# KiCad board 8x8.kicad_pcb (continued)
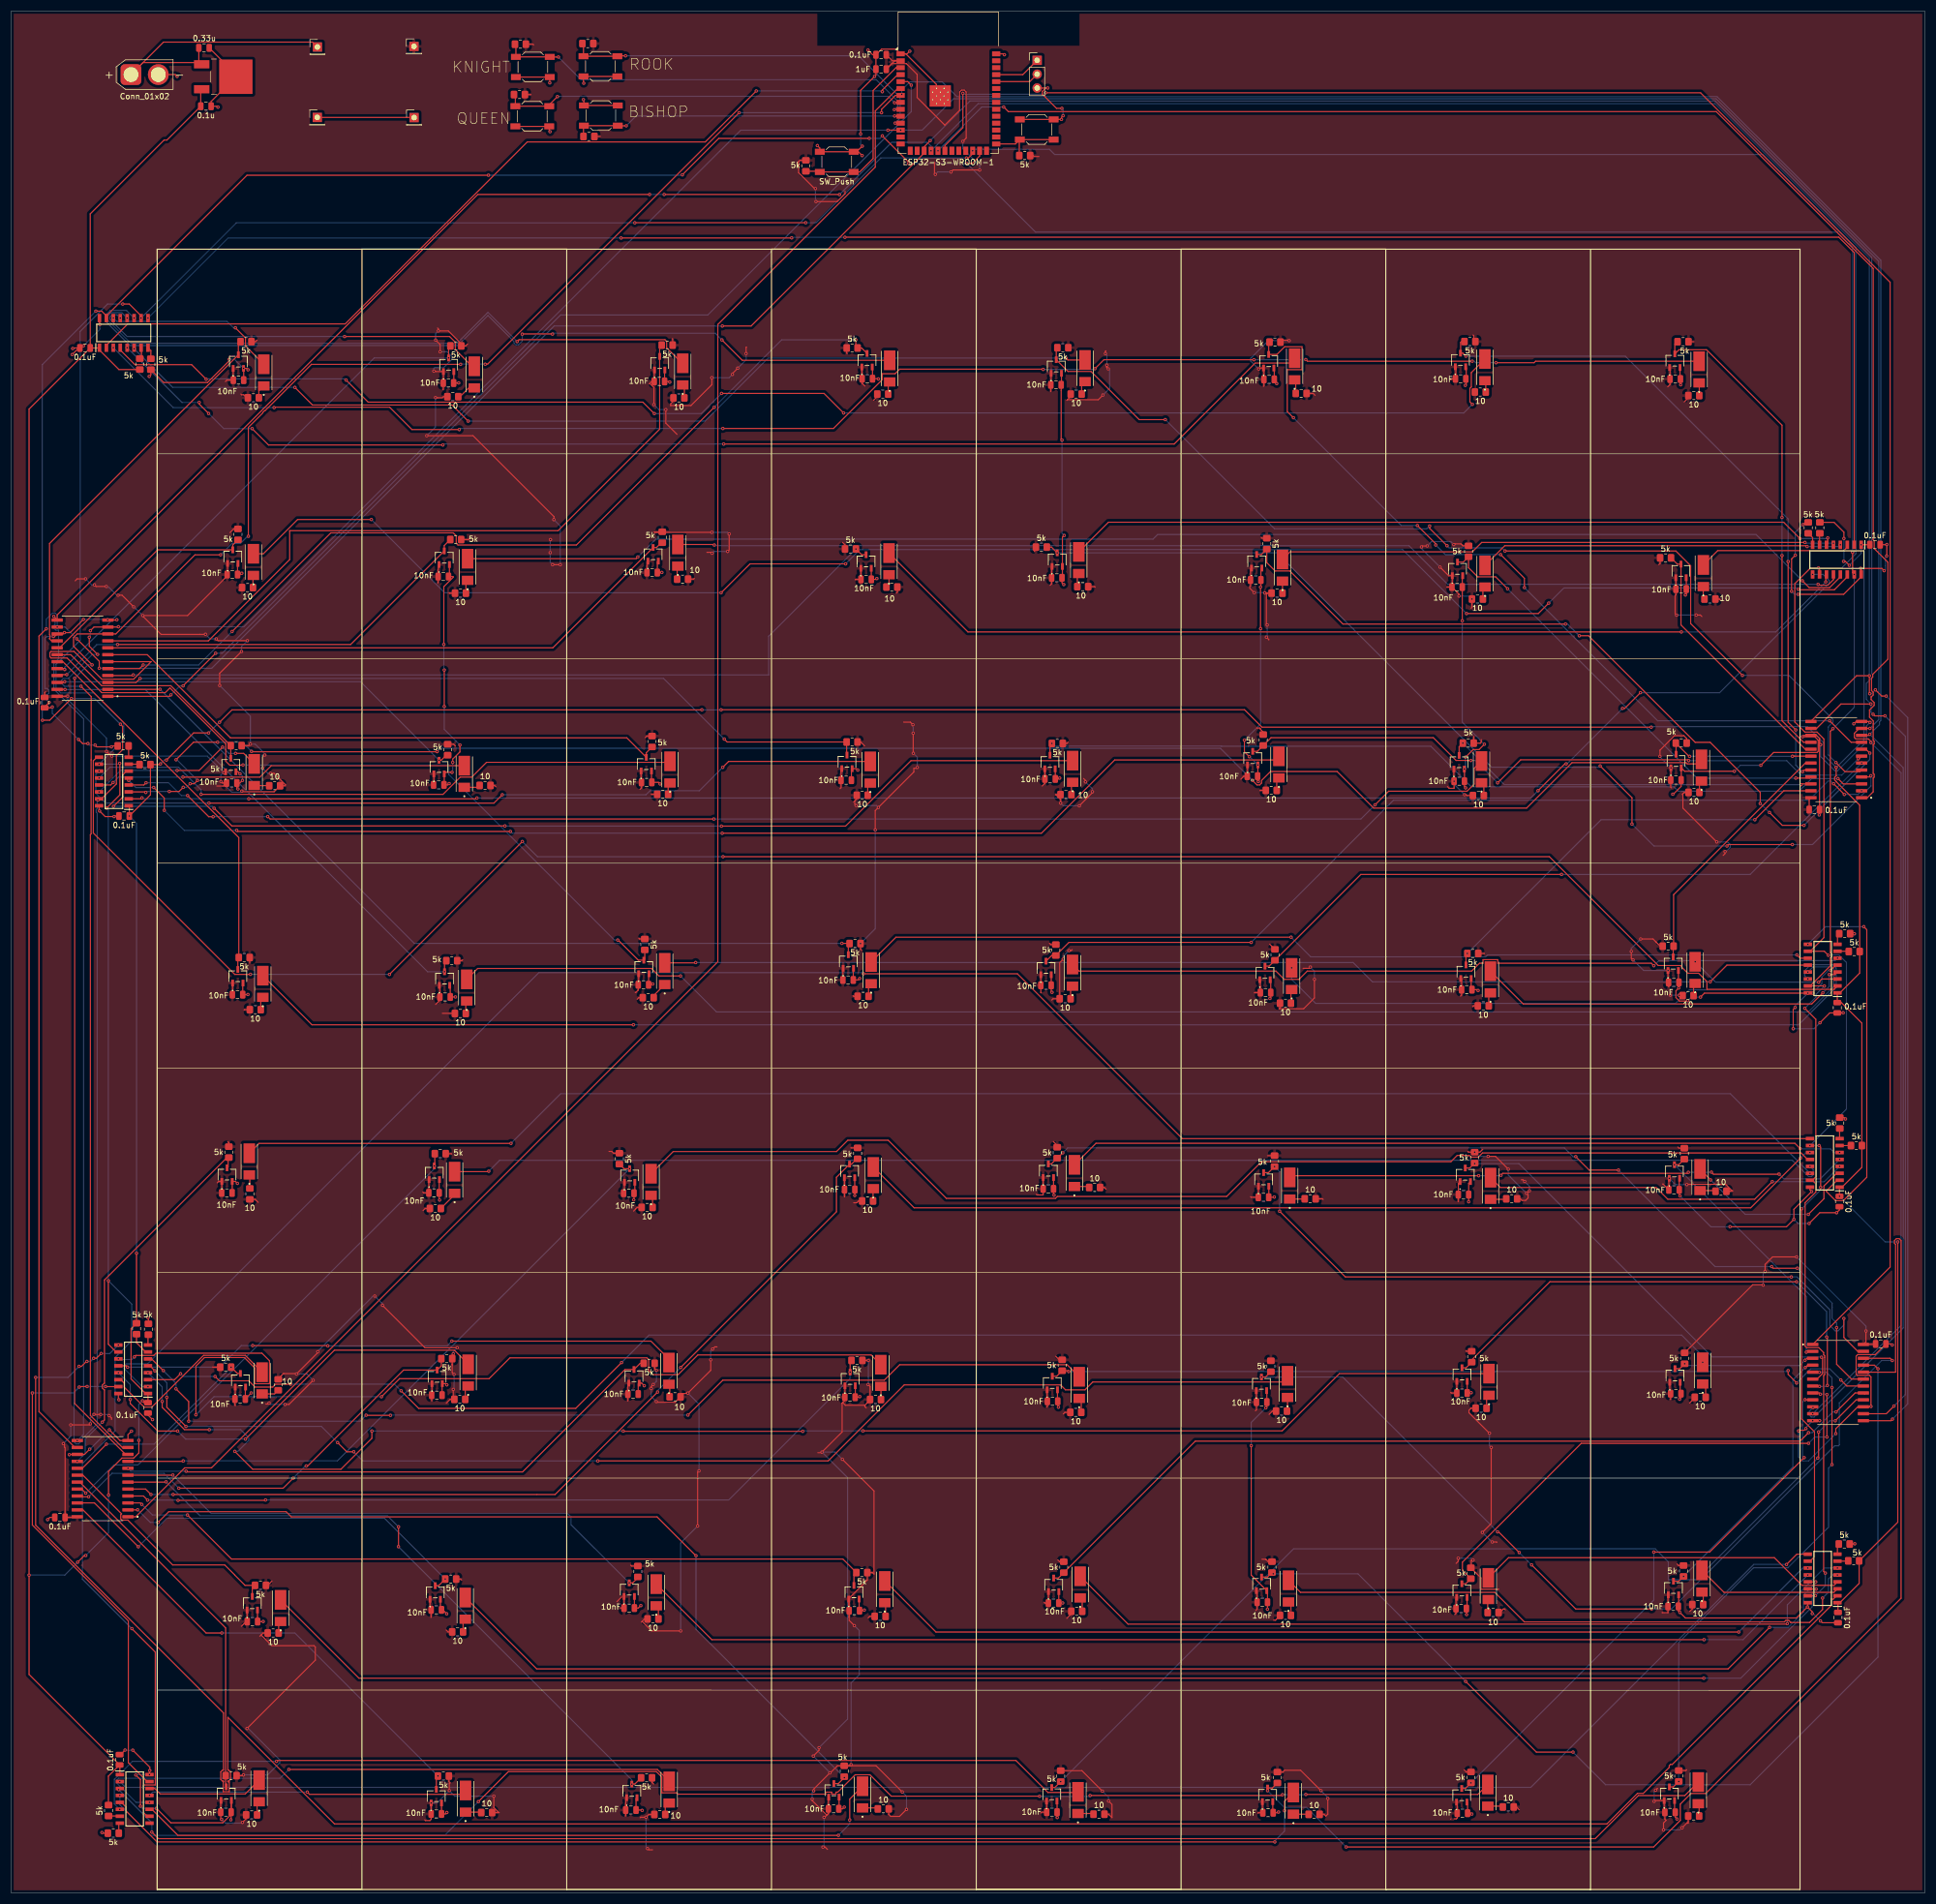
[diagram p0: board, top side]
## Routing (per net, layer and track width the routed paths; a pad name or vN(x,y) marks a point on that pad's centre or on a via; arc(x,y) is an arc through that point) (continued)
  Bottom w0.2: v1(332.5,101.88) 332.5,106.5 v1(327,112) ; v1(332.62,93) 332.45,92.82 v1(331.2,92.82)
/HALL52: length 85.6
  Top w0.2: v1(331.55,98.18) 331.75,97.97 331.75,95.18 330.74,94.17 U13.6 ; R116.1 267.14,132.84 J36.3
  Bottom w0.2: v1(268.04,133.65) 276.15,133.65 311.57,98.23 331.5,98.23 v1(331.55,98.18)
/HALL53: length 95.3
  Top w0.2: U13.5 331.13,95.44 v1(331.15,95.43) ; v1(305.41,20.45) 304.41,19.45 J53.3 ; v1(333.48,78.5) v1(333.48,92.62)
  Bottom w0.2: v1(333.48,92.62) 333.48,94.4 332.45,95.43 v1(331.15,95.43) ; v1(333.48,78.5) 332.85,77.88 332.85,67.05 325.4,59.6 319.12,59.6 305.41,45.9 v1(305.41,20.45)
/HALL54: length 51.2
  Top w0.2: v1(306.29,58.02) 305.42,57.14 J51.3 ; U13.4 329.01,96.71 v1(328.58,96.28)
  Bottom w0.2: v1(306.29,58.02) 326.33,78.05 326.33,94.03 v1(328.58,96.28)
/HALL55: length 26.3
  Top w0.2: v1(306.49,96.98) 305.59,96.07 J48.3 ; v1(328.52,97.62) 328.88,97.98 U13.3
  Bottom w0.2: v1(306.49,96.98) 306.82,96.65 327.55,96.65 v1(328.52,97.62)
/HALL56: length 47.8
  Top w0.2: U13.2 328.92,99.25 v1(328.77,99.1) ; v1(304.63,133.44) 305.42,133.44 R126.1
  Bottom w0.2: v1(304.63,133.44) 328.77,109.29 v1(328.77,99.1)
/HALL57: length 134.9
  Top w0.2: v1(335.65,105.28) 335.65,101.8 338.2,99.25 U13.23 ; v1(326.03,112.88) 244.37,112.88 v1(232.33,124.93) ; J61.3 230.29,132 v1(231.4,133.1)
  Bottom w0.2: v1(335.65,105.28) 335.65,104.08 334.57,103 334.08,103 333.1,103.98 333.1,106.85 327.07,112.88 v1(326.03,112.88) ; v1(232.33,124.93) 232.33,132.18 v1(231.4,133.1)
/HALL58: length 164.1
  Top w0.2: R134.1 229.75,94.55 v1(229,94.55) ; v1(276.2,62.4) 272.42,66.18 v1(272.25,66.18) ; v1(344.52,97.57) 344.12,97.98 U13.22 ; v1(278.48,60.12) 286.55,52.05 v1(300.45,52.05)
  Bottom w0.2: v1(300.45,52.05) 304.07,52.05 333.97,81.95 334.65,81.95 334.83,82.13 334.83,89.82 342.59,97.57 v1(344.52,97.57) ; v1(272.25,66.18) 243.88,94.55 v1(229,94.55) ; v1(278.48,60.12) v1(276.2,62.4)
/HALL59: length 194.4
  Top w0.2: v1(286.05,25.82) 279.35,25.82 v1(266.4,38.78) ; U13.21 341.25,96.71 341.9,96.06 v1(341.9,96.04) ; R131.1 230.1,57.9 J56.3
  Bottom w0.2: v1(341.9,96.04) 341.9,43.25 318.5,19.85 292.03,19.85 v1(286.05,25.82) ; v1(266.4,38.78) 246.68,58.49 v1(231.15,58.49)
/HALL60: length 240.2
  Top w0.2: J57.3 230.99,19.25 R132.1 ; U13.20 345.12,95.44 345.12,118.85 344.92,119.05 344.92,119.55 345.28,119.9 345.77,119.9 346.13,119.55 346.13,54.02 310.35,18.24 307.65,18.24 305.7,16.3 305.7,13.33 300.82,8.45 v1(244.5,8.45)
  Bottom w0.2: v1(230.13,18.77) 233.19,15.7 237.25,15.7 v1(244.5,8.45)
/HALL61: length 174.1
  Top w0.2: U13.19 337.05,94.17 334.33,96.89 v1(334.33,103.6) ; v1(322.42,114.78) 322.73,114.48 v1(327.12,114.48) ; v1(286.55,134.93) 289.01,132.46 v1(294.38,132.46) ; J68.3 190.53,133.59 R145.1 191.65,134.65 v1(192.63,135.62)
  Bottom w0.2: v1(192.63,135.62) 193.53,136.53 284.45,136.53 286.05,134.93 v1(286.55,134.93) ; v1(327.12,114.48) 333.5,108.1 333.5,105.28 334.33,104.45 v1(334.33,103.6) ; v1(294.38,132.46) 312.06,114.78 v1(322.42,114.78)
/HALL62: length 152.8
  Top w0.2: J69.3 191.5,94.69 R146.1 193.6,95.7 193.67,95.62 193.67,95.57 v1(193.7,95.55) ; U13.18 336.2,92.9 v1(335.1,94) ; v1(325.45,95.73) 325.45,95.03 327,93.48 v1(327,93.45)
  Bottom w0.2: v1(193.7,95.55) 325.27,95.55 v1(325.45,95.73) ; v1(327,93.45) 329.58,96.03 333.07,96.03 v1(335.1,94)
/HALL63: length 162.7
  Top w0.2: v1(329.17,84.35) 327.63,82.8 216.89,82.8 R141.1 191.81,57.72 J64.3 ; v1(334.23,88.15) 337.71,91.63 U13.17 339.46,91.4
  Bottom w0.2: v1(329.17,84.35) 329.85,84.35 333.65,88.15 v1(334.23,88.15)
/HALL64: length 187.3
  Top w0.2: v1(330.88,79.7) 331.02,79.85 v1(331.02,84.48) ; v1(192.24,20.43) 191.16,19.34 J65.3 ; v1(334.08,86.53) 337.91,90.36 U13.16
  Bottom w0.2: v1(331.02,84.48) 333.08,86.53 v1(334.08,86.53) ; v1(330.88,79.7) 308.59,57.42 303.51,57.42 303.51,60.67 301.1,63.08 234.89,63.08 v1(192.24,20.43)
/IO0: length 13.8
  Top w0.2: SW5.2 184.65,321.15 R147.1 ; SW5.2 183.95,320.45 U14.27 ; SW5.2 SW5.2
/Knight_promote: length 78.7
  Top w0.2: U14.9 161.85,326.8 v1(161.78,326.73) ; v1(100.25,336.38) 98.7,336.38 SW1.2 92.47,336.4 92.47,338.55 R137.1
  Bottom w0.2: v1(100.25,336.38) 104.4,332.22 158.45,332.22 162.43,328.25 162.43,327.38 v1(161.78,326.73)
/Queen_promote: length 74.2
  Top w0.2: v1(161.83,328) 161.9,328.07 U14.8 ; v1(100.08,329.12) 98.58,327.62 SW2.2 SW2.2 92.38,329.25 R138.1
  Bottom w0.2: v1(161.83,328) 160.65,329.18 100.12,329.18 v1(100.08,329.12)
/RCK: length 935.3
  Top w0.2: v1(145.55,306.03) 114.28,306.03 v1(114.25,306) ; v1(22.15,48.45) 26.44,44.16 26.44,19.8 24.31,19.8 24.31,14.72 24.96,14.08 U8.10 ; v1(331.4,129.3) 331.4,136.66 v1(331.11,136.95) ; U1.10 331.2,242.58 v1(331,242.78) 329.55,242.78 326.67,239.9 326.67,214.54 328.51,212.71 330.73,212.71 332,211.44 332,175.05 329.5,172.55 U4.10 332.08,172.55 v1(332.8,171.83) ; v1(20.48,291.12) 21.68,291.12 23.83,288.97 v1(23.83,288.55) ; v1(19.92,206.98) 19.95,206.94 19.95,201.2 v1(17.53,198.78) ; U7.10 329.47,60.82 330.27,61.63 330.27,84.51 327.92,86.86 v1(327.92,125.35) ; U6.10 19.26,99.14 17.84,100.56 v1(17.84,112.19) ; v1(174.97,317.88) 175.33,317.88 176.12,318.67 v1(176.12,319.2)
  Bottom w0.2: v1(22.15,48.45) 13.1,57.5 13.1,78.7 19.07,84.67 19.07,98.12 22.15,101.19 22.15,107.88 v1(17.84,112.19) 17.84,198.46 v1(17.53,198.78) ; v1(331,242.78) 335.25,242.78 337.85,245.38 337.85,301.44 320.77,318.53 191.13,318.53 190.17,319.48 177.96,319.48 177.64,319.8 177.14,319.8 176.82,319.48 176.4,319.48 v1(176.12,319.2) ; v1(145.55,306.03) 147.42,306.03 159.27,317.88 v1(174.97,317.88) ; v1(332.8,171.83) 332.86,171.88 334.74,171.88 336.13,170.49 336.13,143.62 v1(329.45,136.95) v1(331.11,136.95) ; v1(331.4,129.3) 331.4,128.83 v1(327.92,125.35) ; v1(19.92,206.98) 19.77,206.83 v1(16.15,206.83) 20.65,211.33 20.65,214.4 15.17,219.88 9.12,219.88 8.25,220.74 8.25,225.1 12.68,229.53 12.68,286.1 17.7,291.12 v1(20.48,291.12) ; v1(114.25,306) 41.28,306 v1(23.83,288.55)
/Rook_promote: length 69.7
  Top w0.2: v1(161.92,324.28) 161.94,324.26 U14.11 ; v1(112.55,336.6) 111.12,336.6 SW3.2 SW3.2 104.85,338.65 R148.1
  Bottom w0.2: v1(161.92,324.28) 162.83,325.18 162.83,329 155.22,336.6 v1(112.55,336.6)
/RX: length 8.1
  Top w0.2: J70.2 186.57,331.88 U14.36
/S0: length 782.6
  Top w0.2: v1(43.48,248.58) 43.48,268.53 46.12,271.17 46.12,271.26 46.44,271.58 46.53,271.58 55.03,280.08 55.04,280.08 v1(82.35,280.08) ; U11.10 340.21,212.11 v1(340.4,212.3) ; v1(133.35,326.18) 87.3,280.12 86.88,280.12 v1(86.85,280.1) ; U14.7 161.97,329.34 159.42,326.79 v1(159.42,326.18) ; v1(11.68,222.58) 11.68,89.69 20.99,80.37 U10.10 ; v1(38.4,245.18) 33.7,245.18 19.21,230.69 U9.10 12.14,230.69 11.47,230.02 11.47,228.41 v1(14.87,225.02) ; v1(330,88.95) 329.95,89 U13.10
  Bottom w0.2: v1(43.48,248.58) 43.47,248.58 43.4,248.65 42.05,247.3 40.53,247.3 v1(38.4,245.18) ; v1(86.85,280.1) 82.38,280.1 v1(82.35,280.08) ; v1(159.42,326.18) v1(133.35,326.18) ; v1(11.68,222.58) 14.12,225.02 v1(14.87,225.02) ; v1(163.13,329.54) 163.13,330.33 164.63,331.83 170.54,331.83 173.24,329.13 312.43,329.13 342.43,299.13 342.43,214.81 342.17,214.56 342.17,214.08 v1(340.4,212.3) 346.53,206.17 346.53,103.55 330.2,87.22 329.7,87.22 329.35,87.57 329.35,88.3 v1(330,88.95)
/S1: length 769.2
  Top w0.2: v1(14.35,230.09) 14.35,228.45 v1(15.88,226.93) ; U10.11 20.41,81.64 14.55,87.5 14.55,193.92 14.69,194.05 14.69,207.62 14.7,207.63 14.7,219.23 v1(12.83,221.1) ; U11.11 v1(340.42,213.38) 338.46,213.38 337.57,212.49 337.57,211.72 337.86,211.44 340.16,211.44 340.61,210.99 v1(340.61,210.78) ; v1(19.68,232) 19.63,231.96 U9.11 15.22,231.96 v1(14.55,231.29) ; v1(162.92,322.99) 160.61,322.99 v1(160.6,322.98)
  Bottom w0.2: v1(340.42,213.38) 342.02,214.98 342.02,298.97 312.27,328.73 172.61,328.73 166.87,322.99 v1(162.92,322.99) ; v1(329.95,87.82) 346.13,104 346.13,205.26 v1(340.61,210.78) ; v1(15.88,226.93) 14.9,226.93 10.5,222.53 9.6,222.53 9.25,222.17 9.25,221.68 9.83,221.1 v1(12.83,221.1) ; v1(14.35,230.09) 14.55,230.29 v1(14.55,231.29) ; v1(160.6,322.98) 133.65,322.98 42.68,232 v1(19.68,232)
/S2: length 787
  Top w0.2: v1(12.08,229.78) 16.18,225.68 v1(16.18,224.4) ; v1(6.47,231.62) 5.14,230.29 5.14,88.21 11.71,81.64 U10.14 ; v1(343.17,215.68) 341.3,215.68 v1(341,215.98) ; v1(130.28,287.1) 135.55,287.1 167.23,318.78 U14.17 167.23,319.94 v1(168.34,321.06) ; v1(344.83,89.23) 343.42,87.82 U13.14 ; v1(340.61,217.85) 335.12,217.85 330.65,213.38 U11.14
  Bottom w0.2: v1(341,215.98) 340.61,216.37 v1(340.61,217.85) 339.75,218.71 339.75,221.6 340.93,222.78 340.93,223.27 340.75,223.45 340.75,299.68 312.1,328.32 175.61,328.32 v1(168.34,321.06) ; v1(343.17,215.68) 346.93,211.92 346.93,91.33 v1(344.83,89.23) ; v1(16.18,224.4) 36.78,224.4 99.47,287.1 v1(130.28,287.1) ; v1(12.08,229.78) 9.9,231.96 v1(8.47,231.96) 8.47,234.12 8.1,234.5 7.6,234.5 6.47,233.37 v1(6.47,231.62)
/S3: length 779.5
  Top w0.2: v1(116.95,311.2) 85.5,311.2 8.47,234.18 8.47,233.23 8.47,233.28 v1(7.85,233.9) ; v1(151.72,311.18) 151.7,311.2 v1(119.62,311.2) ; v1(340.4,219.73) 340.42,219.75 340.33,219.85 v1(340.33,223.03) 337.98,223.03 329.62,214.67 329.62,214.65 ; v1(341.42,220.45) 342.57,219.3 v1(343.4,219.3) ; U13.13 344.27,86.55 v1(344.55,86.82)
  Bottom w0.2: v1(12.16,82.91) 13.3,84.05 13.3,215.13 7.85,220.58 7.85,225.27 8.72,226.14 8.72,231.36 8.72,231.35 8.23,231.35 7.87,231.71 7.87,232.2 8.07,232.4 8.07,233.68 v1(7.85,233.9) ; v1(341.42,220.45) 340.7,219.73 v1(340.4,219.73) ; v1(343.4,219.3) 347.35,215.35 347.35,89.62 v1(344.55,86.82) ; v1(151.72,311.18) 161.3,320.75 167.8,320.75 168.5,320.05 v1(168.5,319.2) 177.13,327.83 312.03,327.83 340.33,299.53 v1(340.33,223.03) ; v1(116.95,311.2) v1(119.62,311.2)
/SER_IN_1: length 166.7
  Top w0.2: U14.4 162.39,333.15 159.58,330.33 v1(159.58,330.03) ; v1(136.49,330.16) 127.15,320.82 94.55,320.82 61.22,287.49 21.4,287.49 17.48,283.56 U2.2
  Bottom w0.2: v1(159.58,330.03) 159.43,330.17 136.5,330.17 v1(136.49,330.16)
/SER_IN_2: length 373.3
  Top w0.2: U1.2 337.55,300.55 334.73,303.38 152.75,303.38 v1(152.72,303.35) ; v1(111.72,303.23) 142.95,303.23 v1(142.97,303.25)
  Bottom w0.2: v1(25.1,288.55) 39.78,303.23 v1(111.72,303.23) ; v1(152.72,303.35) 143.08,303.35 v1(142.97,303.25)
/SER_IN_3: length 331.9
  Top w0.2: v1(298.4,219.93) 295.53,217.05 v1(295.13,217.05) ; 21.58,200.48 23.83,200.48 v1(24,200.65) ; v1(85.35,200.62) 85.2,200.48 v1(43.55,200.48) ; v1(279.65,201.98) 284.55,206.88 v1(284.8,206.88)
  Bottom w0.2: v1(43.55,200.48) 24.18,200.48 v1(24,200.65) ; v1(279.65,201.98) 278.3,200.62 v1(85.35,200.62) ; v1(295.13,217.05) 284.95,206.88 v1(284.8,206.88) ; v1(298.4,219.93) 312.9,219.93 332.95,239.98 332.95,240.47 331.84,241.59 v1(329.93,241.59)
/SER_IN_4: length 367.2
  Top w0.2: U4.2 333.86,165.57 310.58,165.57 310.58,167 309.05,168.52 307.07,168.52 305.91,169.69 305.91,169.94 301.66,169.94 281.72,189.88 v1(130.4,189.88) ; v1(43.88,168.33) 43.86,168.31 41,168.31 15.09,194.22 15.09,207.45 15.73,208.09 U3.9 ; v1(93.65,192.65) v1(69.31,168.31)
  Bottom w0.2: v1(69.31,168.31) 69.3,168.33 v1(43.88,168.33) ; v1(93.65,192.65) 96.43,189.88 v1(130.4,189.88)
/SER_IN_5: length 71
  Top w0.2: U5.2 334.41,130.6 332.4,128.59 334.14,126.85 335.56,126.85 339.85,131.14 339.85,176.5 v1(339.3,177.05)
  Bottom w0.2: v1(339.3,177.05) 332.29,177.05 v1(329.06,173.82)
/SER_IN_6: length 357.4
  Top w0.2: v1(156.12,168.42) 184.3,168.42 214.51,138.22 U5.9
  Bottom w0.2: v1(25.1,92.79) 24.06,92.79 20.75,96.1 20.75,96.6 21.1,96.95 25,96.95 96.68,168.63 155.92,168.63 v1(156.12,168.42)
/SER_IN_7: length 445
  Top w0.2: v1(15.15,97.98) 15.65,97.98 v1(16.53,98.85) ; v1(4.53,94.48) 4.53,67.4 38.92,33 38.92,22.52 38.74,22.52 38.42,22.21 38.42,20.84 38.74,20.52 38.92,20.52 38.92,20.38 38.87,20.38 38.87,18.56 39.98,18.56 39.98,20.38 39.73,20.38 39.73,20.52 39.91,20.52 40.23,20.84 40.23,22.21 39.91,22.52 39.73,22.52 39.73,32.2 59.25,12.67 292.26,12.67 297.85,18.27 298.92,18.27 303.67,23.02 303.67,23.34 303.91,23.58 304.23,23.58 333.41,52.76 333.41,53.83 333.68,53.83 334.32,54.47 U7.2 ; v1(13.93,97.4) 13.9,97.38 13.8,97.38 12.93,96.5 v1(12.47,96.5)
  Bottom w0.2: v1(4.53,94.48) 10.45,94.48 v1(12.47,96.5) ; v1(19.68,100.41) 18.12,98.85 v1(16.53,98.85) ; v1(15.15,97.98) 14.58,97.4 v1(13.93,97.4)
/SER_IN_8: length 327.2
  Top w0.2: v1(325.15,60.2) 327.04,62.09 U7.9
  Bottom w0.2: v1(325.15,60.2) 319.15,60.2 278.32,19.37 21.02,19.37 v1(19.95,20.43)
/SRCK: length 952.7
  Top w0.2: U6.15 17.34,92.79 v1(17.33,92.8) ; v1(13.95,92.8) 12.6,92.8 v1(12.5,92.7) ; v1(11.08,218.85) 7.1,214.88 v1(5.78,214.88) ; v1(3.93,91.62) 3.93,67.43 21.5,49.86 21.5,23.88 24.96,20.43 U8.15 ; v1(328.5,162.1) 330.51,160.09 330.51,131.23 329.89,130.6 U5.15 329.87,130.6 330.51,129.96 330.51,128.44 328.55,126.48 328.55,100.21 328.84,99.92 331.06,99.92 331.95,99.03 331.95,98.62 332.15,98.42 332.15,98.14 332.15,98.14 332.15,95.01 331.95,94.81 331.95,58.93 v1(332.25,58.62) ; 17.48,288.97 43.24,314.73 v1(87.45,314.73) ; 17.48,288.97 U2.15 ; 17.48,288.97 16.62,289.83 v1(15.55,289.83) ; v1(330.45,54.5) 330.42,54.47 U7.15 ; v1(20.05,214.15) 20.45,213.75 20.45,209.49 19.32,208.35 19.32,203.21 16.58,200.48 16.15,200.48 ; v1(164.38,316.88) 164.38,317.12 v1(159.58,321.92) ; v1(122.95,314.8) 129.63,321.48 v1(157.17,321.48) ; v1(337.25,245.62) 337.25,241.89 v1(337.55,241.59) ; v1(174.97,316.88) 176.02,316.88 177.39,318.25 U14.25 ; v1(332.08,166.17) 332.05,166.2 U4.15 329.5,166.2 333.17,169.87 333.17,171.35 333.4,171.58 333.4,172.07 333.17,172.3 333.17,212.85 v1(333.65,213.33)
  Bottom w0.2: v1(332.25,58.62) 332.25,56.3 v1(330.45,54.5) ; v1(337.25,245.62) 337.25,301.48 334.42,304.3 187.64,304.3 175.07,316.88 v1(174.97,316.88) v1(164.38,316.88) ; v1(328.5,162.1) 330.58,164.18 330.58,164.68 v1(332.08,166.17) ; v1(20.05,214.15) 15.35,218.85 v1(11.08,218.85) ; v1(333.65,213.33) 337.55,217.23 v1(337.55,241.59) ; v1(3.93,91.62) 11.43,91.62 v1(12.5,92.7) 11.56,91.76 11.56,82.66 11.91,82.31 12.41,82.31 12.76,82.66 12.76,82.94 15.8,85.99 15.8,197.83 15.62,198.01 15.62,198.5 15.8,198.68 15.8,200.12 v1(15.94,200.26) ; v1(87.45,314.73) 122.88,314.73 v1(122.95,314.8) ; v1(5.78,214.88) 5.75,214.9 5.75,280.02 v1(15.55,289.83) ; v1(13.95,92.8) v1(17.33,92.8) ; v1(157.17,321.48) 159.13,321.48 v1(159.58,321.92)
/TX: length 8.6
  Top w0.2: U14.37 185.3,333.15 J70.1
Net-(D1-PadA): length 2.3
  Top w0.2: 309.9,237.08 309.9,239.33 D1.A
Net-(D2-PadA): length 2.4
  Top w0.2: R16.2 269.55,238.88 D2.A
Net-(D3-PadA): length 2.2
  Top w0.2: R17.2 D3.A
Net-(D4-PadA): length 2.5
  Top w0.2: R18.2 195.28,241.48 D4.A
Net-(D5-PadA): length 2.5
  Top w0.2: R19.2 160.8,239.75 D5.A
Net-(D6-PadA): length 2.1
  Top w0.2: R20.2 122,242.81
Net-(D7-PadA): length 2.5
  Top w0.2: 83.62,240.5 83.33,240.21 R21.2
Net-(D8-PadA): length 2.3
  Top w0.2: D8.A 44.33,241.33 R22.2
Net-(D9-PadA): length 2.3
  Top w0.2: D9.A 309.17,276.66 R23.2
Net-(D10-PadA): length 2.1
  Top w0.2: R24.2 270.08,276.93 D10.A
Net-(D11-PadA): length 2.6
  Top w0.2: D11.A 235.28,277.03 R25.2
Net-(D12-PadA): length 2.5
  Top w0.2: R26.2 196.08,276.28 D12.A
Net-(D13-PadA): length 2.3
  Top w0.2: R27.2 160.65,276.58 D13.A
Net-(D14-PadA): length 2.5
  Top w0.2: R28.2 123.33,276 123.03,276.31
Net-(D15-PadA): length 3.1
  Top w0.2: 84.45,276.27 84.35,276.27 82.22,274.15
Net-(D16-PadA): length 2.5
  Top w0.2: R30.2 45.4,275.23 D16.A
Net-(D17-PadA): length 2.2
  Top w0.2: R31.2 309.2,203.36 D17.A
Net-(D18-PadA): length 2.5
  Top w0.2: D18.A 269.73,203.01 R32.2
Net-(D19-PadA): length 2.4
  Top w0.2: R33.2 231.8,203.91 D19.A
Net-(D20-PadA): length 2.3
  Top w0.2: R34.2 194.2,203.28 D20.A
Net-(D21-PadA): length 2.4
  Top w0.2: R35.2 156.9,202.88 D21.A
Net-(D22-PadA): length 2.2
  Top w0.2: R36.2 120.35,203.03 D22.A
Net-(D23-PadA): length 2.9
  Top w0.2: D23.A 85.48,202.58 R37.2
Net-(D24-PadA): length 2.8
  Top w0.2: R38.2 47.27,202.91 44.55,202.91
Net-(D25-PadA): length 2.4
  Top w0.2: D25.A 308.12,166.36 R39.2
Net-(D26-PadA): length 2.5
  Top w0.2: R40.2 270.62,164.63 D26.A
Net-(D27-PadA): length 2.6
  Top w0.2: R41.2 234.4,165.41 D27.A
Net-(D28-PadA): length 2.4
  Top w0.2: D28.A 194.05,165.81 R42.2
Net-(D29-PadA): length 2.5
  Top w0.2: R43.2 157.05,166.13 D29.A
Net-(D30-PadA): length 3.2
  Top w0.2: D30.A 117.7,164.43 R44.2
Net-(D31-PadA): length 2.4
  Top w0.2: D31.A 83.3,163.26 R45.2
Net-(D32-PadA): length 2.4
  Top w0.2: R46.2 45.75,163.73 D32.A
Net-(D33-PadA): length 2.9
  Top w0.2: D33.A 312.02,128.71 R47.2
Net-(D34-PadA): length 2.9
  Top w0.2: D34.A 273.73,127.1 R48.2
Net-(D35-PadA): length 2.8
  Top w0.2: R49.2 236.88,127.16 D35.A
Net-(D36-PadA): length 2.8
  Top w0.2: R50.2 197.27,129.46 D36.A
Net-(D37-PadA): length 2.3
  Top w0.2: R51.2 157.88,129 D37.A
Net-(D38-PadA): length 2.3
  Top w0.2: R52.2 117.5,127.56 D38.A
Net-(D39-PadA): length 3.8
  Top w0.2: D39.A 81.25,127.95 R53.2
Net-(D40-PadA): length 2.5
  Top w0.2: R54.2 43.75,131.48 D40.A
Net-(D41-PadA): length 2.7
  Top w0.2: D41.A 310.35,92.73 R55.2
Net-(D42-PadA): length 2.6
  Top w0.2: R56.2 270.23,90.75 D42.A
Net-(D43-PadA): length 2.5
  Top w0.2: D43.A 233.78,88.4 R57.2
Net-(D44-PadA): length 2.7
  Top w0.2: D44.A 196,90.25 R58.2
Net-(D45-PadA): length 2.4
  Top w0.2: R59.2 159.33,92.81 D45.A
Net-(D46-PadA): length 2.4
  Top w0.2: 120.65,91.53 120.65,93.7 120.53,93.83
Net-(D47-PadA): length 2.7
  Top w0.2: D47.A 83.2,92.38 R61.2
Net-(D48-PadA): length 3.2
  Top w0.2: D48.A 48.28,91.45 R62.2
Net-(D49-PadA): length 2.4
  Top w0.2: D49.A 309.9,54.93 R63.2
Net-(D50-PadA): length 2.4
  Top w0.2: D50.A 270.42,53.66 R64.2
Net-(D51-PadA): length 2.6
  Top w0.2: R65.2 234.4,52.88 D51.A
Net-(D52-PadA): length 2.6
  Top w0.2: D52.A 196.17,53.7 R66.2
Net-(D53-PadA): length 2.3
  Top w0.2: R67.2 160.17,52.95
Net-(D54-PadA): length 2.6
  Top w0.2: R68.2 118.58,52.23 D54.A
Net-(D55-PadA): length 2.5
  Top w0.2: R69.2 82.8,49.78 D55.A
Net-(D56-PadA): length 2.2
  Top w0.2: D56.A 49.03,49.41 R70.2
Net-(D57-PadA): length 2.3
  Top w0.2: D57.A 309.15,16.23 R89.2
Net-(D58-PadA): length 2.8
  Top w0.2: D58.A 273.04,15.93 R90.2
Net-(D59-PadA): length 2.8
  Top w0.2: R91.2 237.62,14.45 D59.A
Net-(D60-PadA): length 2.9
  Top w0.2: D60.A 198.12,14.58 R92.2
Net-(D61-PadA): length 2.9
  Top w0.2: D61.A 158.57,15.61 R93.2
Net-(D62-PadA): length 2.4
  Top w0.2: D62.A 119.83,15.78 R94.2
Net-(D63-PadA): length 2.9
  Top w0.2: 83.25,14.82 86.05,14.82 R95.2
Net-(D64-PadA): length 2.6
  Top w0.2: R96.2 45.08,16.36 D64.A
Net-(U1-DRAIN0): length 28.1
  Top w0.2: U1.3 336.28,246.59 335.64,245.95 312.55,245.95 D1.C
Net-(U1-DRAIN1): length 66.7
  Top w0.2: 269.95,243.25 273.55,246.85 328.77,246.85 v1(328.92,246.7)
  Bottom w0.2: v1(335.01,247.01) 334.7,246.7 v1(328.92,246.7)
Net-(U1-DRAIN2): length 102.2
  Top w0.2: D3.C 234.25,245.73 267.61,245.73 269.33,247.45 v1(328.52,247.45)
  Bottom w0.2: v1(328.52,247.45) 328.67,247.3 v1(333.74,247.3)
Net-(U1-DRAIN3): length 142
  Top w0.2: U1.6 332.7,247.24 v1(332.7,248.28) ; v1(327.6,248.18) 324.62,251.15 200.98,251.15 D4.C
  Bottom w0.2: v1(332.7,248.28) 332.6,248.18 v1(327.6,248.18)
Net-(U1-DRAIN4): length 182.7
  Top w0.2: v1(305.9,231.05) 175.25,231.05 D5.C ; v1(332.35,240.23) 332.35,241.47 U1.11
  Bottom w0.2: v1(332.35,240.23) 323.17,231.05 v1(305.9,231.05)
Net-(U1-DRAIN5): length 216.1
  Top w0.2: U1.12 333.74,240.63 332.74,239.62 331.08,239.62 v1(330.92,239.78) ; v1(128.8,246.98) 128.7,247.08 D6.C
  Bottom w0.2: v1(128.8,246.98) 128.92,246.86 256.02,246.86 263.1,239.78 v1(330.92,239.78)
Net-(U1-DRAIN6): length 258.5
  Top w0.2: v1(114.8,244.78) 114.5,244.48 D7.C ; v1(328.05,240.43) 329.3,239.17 333.03,239.17 335.01,241.15 U1.13
  Bottom w0.2: v1(328.05,240.43) 319.58,248.9 209.99,248.9 209.15,248.06 118.08,248.06 v1(114.8,244.78)
Net-(U1-DRAIN7): length 311.7
  Top w0.2: v1(66,251.65) 52.5,251.65 46.22,245.38 D8.C ; U1.14 336.28,241.15 333.9,238.77 327.4,238.77 v1(327.3,238.88) ; v1(281.6,236.33) 279.7,234.43 v1(266.55,234.43) ; v1(130.05,238.23) 135.34,243.52 v1(152.86,243.52)
  Bottom w0.2: v1(281.6,236.33) 284.38,239.1 327.07,239.1 v1(327.3,238.88) ; v1(130.05,238.23) 79.43,238.23 v1(66,251.65) ; v1(152.86,243.52) 155.48,246.14 254.83,246.14 v1(266.55,234.43)
Net-(U1-~{CLR}): length 2.1
  Top w0.2: R1.2 331.2,249.08 U1.7
Net-(U1-~{G}): length 2.4
  Top w0.2: R2.2 329.93,248.32 U1.8
Net-(U2-DRAIN0): length 303
  Top w0.2: v1(237.13,280.95) 237.42,280.65 v1(267.6,280.65) ; v1(271.95,280.38) 278.92,280.38 279.2,280.65 D9.C ; v1(198.5,279.27) 200.15,280.93 v1(227.63,280.93) ; v1(130.38,268.33) 150.62,268.33 159.57,277.27 159.57,278.35 161.91,278.35 162.75,279.19 188.98,279.19 v1(189.03,279.15) ; v1(82.1,268.12) 73.45,268.12 69.35,272.23 48.28,272.23 v1(48.2,272.15)
  Bottom w0.2: v1(48.2,272.15) 29.73,272.15 v1(18.75,283.13) ; v1(82.1,268.12) 82.3,268.33 v1(130.38,268.33) ; v1(198.5,279.27) 198.38,279.15 v1(189.03,279.15) ; v1(267.6,280.65) 267.95,280.65 268.23,280.38 v1(271.95,280.38) ; v1(237.13,280.95) 237.1,280.93 v1(227.63,280.93)
Net-(U2-DRAIN1): length 266.2
  Top w0.2: D10.C 267.42,278.55 267.42,275.94 267.17,275.69 267.17,273.2 v1(267.62,272.75) ; v1(35.75,277.35) 33.07,280.03 22.7,280.03 20.02,282.71 U2.4 ; v1(61.38,277.2) 65.43,273.15 115.73,273.15 v1(117.83,271.05) ; v1(130.13,274.75) 148.9,274.75 v1(152.47,271.18)
  Bottom w0.2: v1(35.75,277.35) 35.83,277.43 61.15,277.43 v1(61.38,277.2) ; v1(152.47,271.18) 152.48,271.17 266.04,271.17 v1(267.62,272.75) ; v1(130.13,274.75) 126.42,271.05 v1(117.83,271.05)
Net-(U2-DRAIN2): length 227.9
  Top w0.2: v1(44.18,268.3) 47.18,265.3 v1(79.1,265.3) ; v1(34.47,273.1) 34.47,272.8 v1(36.2,271.08) ; v1(130.53,265.48) 213.02,265.48 227.86,280.31 234.19,280.31 D11.C
  Bottom w0.2: v1(36.2,271.08) 38.97,268.3 v1(44.18,268.3) ; v1(79.1,265.3) 79.28,265.48 v1(130.53,265.48) ; v1(34.47,273.1) 31.32,273.1 v1(21.29,283.13)
Net-(U2-DRAIN3): length 184.6
  Top w0.2: D12.C 193.55,280.88 v1(193.2,281.23) ; v1(52,275.85) 55.22,272.63 80.77,272.63 v1(83.72,269.68)
  Bottom w0.2: v1(83.72,269.68) 127.1,269.68 138.65,281.23 v1(193.2,281.23) ; v1(52,275.85) 29.63,275.85 v1(22.56,282.92)
Net-(U2-DRAIN4): length 161.1
  Top w0.2: v1(99.18,285.62) 99.15,285.65 93.67,285.65 v1(93.64,285.61) ; v1(130.2,284.55) 133.93,280.82 D13.C
  Bottom w0.2: v1(130.2,284.55) 128.97,285.77 99.33,285.77 v1(99.18,285.62) ; v1(22.56,288.55) 21.16,289.95 18.17,289.95 17.35,289.13 17.35,287.97 21.79,283.52 81.84,283.52 87.35,289.03 92.1,284.28 92.1,284 92.45,283.65 92.95,283.65 93.64,284.34 v1(93.64,285.61)
Net-(U2-DRAIN5): length 119.2
  Top w0.2: D14.C 122.91,280.27 120.08,283.11 120.08,284.29 119.76,284.6 93.05,284.6 v1(92.7,284.25)
  Bottom w0.2: v1(92.7,284.25) 87.35,289.6 81.67,283.92 21.96,283.92 17.75,288.13 17.75,288.97 18.33,289.55 20.29,289.55 v1(21.29,288.55)
Net-(U2-DRAIN6): length 73.2
  Top w0.2: v1(61.1,285.18) 80.34,285.18 81.37,284.14 81.37,282.77 83.9,280.25 84.45,280.25
  Bottom w0.2: v1(61.1,285.18) 21.28,285.18 18.15,288.3 18.15,288.8 18.5,289.15 19.42,289.15 v1(20.02,288.55)
Net-(U2-DRAIN7): length 31.9
  Top w0.2: D16.C 42.95,283.44 42.95,284.92 v1(41.1,286.77)
  Bottom w0.2: v1(18.75,288.55) 19.35,287.95 39.58,287.95 40.75,286.77 v1(41.1,286.77)
Net-(U2-~{CLR}): length 2
  Top w0.2: 23.9,281.12 23.9,283.06 U2.7
Net-(U2-~{G}): length 2.2
  Top w0.2: U2.8 25.62,282.6 R4.2
Net-(U3-DRAIN0): length 311.4
  Top w0.2: v1(78.05,209.12) 78.03,209.1 44.12,209.1 v1(44.05,209.18) ; v1(30.24,207.64) 33.45,210.85 v1(37.85,210.85) ; D17.C 308.75,206.87 306.98,206.87 306.75,207.1 285.88,207.1 277.55,198.77 249.55,198.77 242.85,205.48 230.66,205.48 229.03,203.84 229.03,203.38 228.67,203.02 228.18,203.02 227.35,203.85 v1(227.35,203.87) ; v1(24.7,201.65) 24.61,201.75 U3.3 ; v1(32.83,203.25) 33.58,203.25 v1(34.18,203.85) ; v1(31.55,202.58) 30.8,201.83 v1(29,201.83)
  Bottom w0.2: v1(34.18,203.85) 30.39,207.64 v1(30.24,207.64) ; v1(227.35,203.87) 221.49,209.73 78.66,209.73 v1(78.05,209.12) ; v1(24.7,201.65) 24.88,201.83 v1(29,201.83) ; v1(44.05,209.18) 42.38,210.85 v1(37.85,210.85) ; v1(31.55,202.58) 32.15,202.58 v1(32.83,203.25)
Net-(U3-DRAIN1): length 256.8
  Top w0.2: v1(37.03,197.2) 36.22,197.2 v1(32.35,201.08) ; U3.4 24.34,203.02 v1(24.75,203.43) ; v1(128.72,196.78) 47.48,196.78 v1(47.03,197.23) ; v1(249.8,199.38) 252.3,201.88 266.65,201.88 267.95,203.18 267.95,206.05 D18.C
  Bottom w0.2: v1(47.03,197.23) 47,197.2 v1(37.03,197.2) ; v1(24.75,203.43) 28.85,203.43 31.2,201.08 v1(32.35,201.08) ; v1(249.8,199.38) 247.2,196.78 v1(128.72,196.78)
Net-(U3-DRAIN2): length 222.2
  Top w0.2: v1(28.08,198.38) 28.08,200.62 v1(26.15,202.55) ; v1(41.35,194.7) 41.55,194.5 v1(91.47,194.5) ; D19.C 231.52,207.59 202.13,207.59 188.71,194.18 v1(130.25,194.18) ; v1(21.58,203.85) U3.5
  Bottom w0.2: v1(26.15,202.55) 22.88,202.55 v1(21.58,203.85) ; v1(91.47,194.5) 91.79,194.18 v1(130.25,194.18) ; v1(28.08,198.38) 31.75,194.7 v1(41.35,194.7)
Net-(U3-DRAIN3): length 190
  Top w0.2: v1(90.46,195.51) 40.45,195.51 v1(37.2,198.75) ; D20.C 164.83,207.47 152.84,195.48 v1(130.1,195.48) ; v1(18.78,199.09) 20.51,200.83 20.51,204.91 21.16,205.56 U3.6
  Bottom w0.2: v1(130.1,195.48) 90.49,195.48 v1(90.46,195.51) ; v1(18.78,199.09) 36.87,199.09 v1(37.2,198.75)
